# Altium PCB park-contor-12i.PcbDoc (part 1 of 2)
Units mm, origin at the board's own origin, x right, y up, seen from the top; angles counter-clockwise.
Board outline 150 x 232.92 mm, 2 copper layers (Top Layer, Bottom Layer); 154 components, 163 nets, 608 pads, 78 vias.
Unrouted connection lines stored in the file: 101.
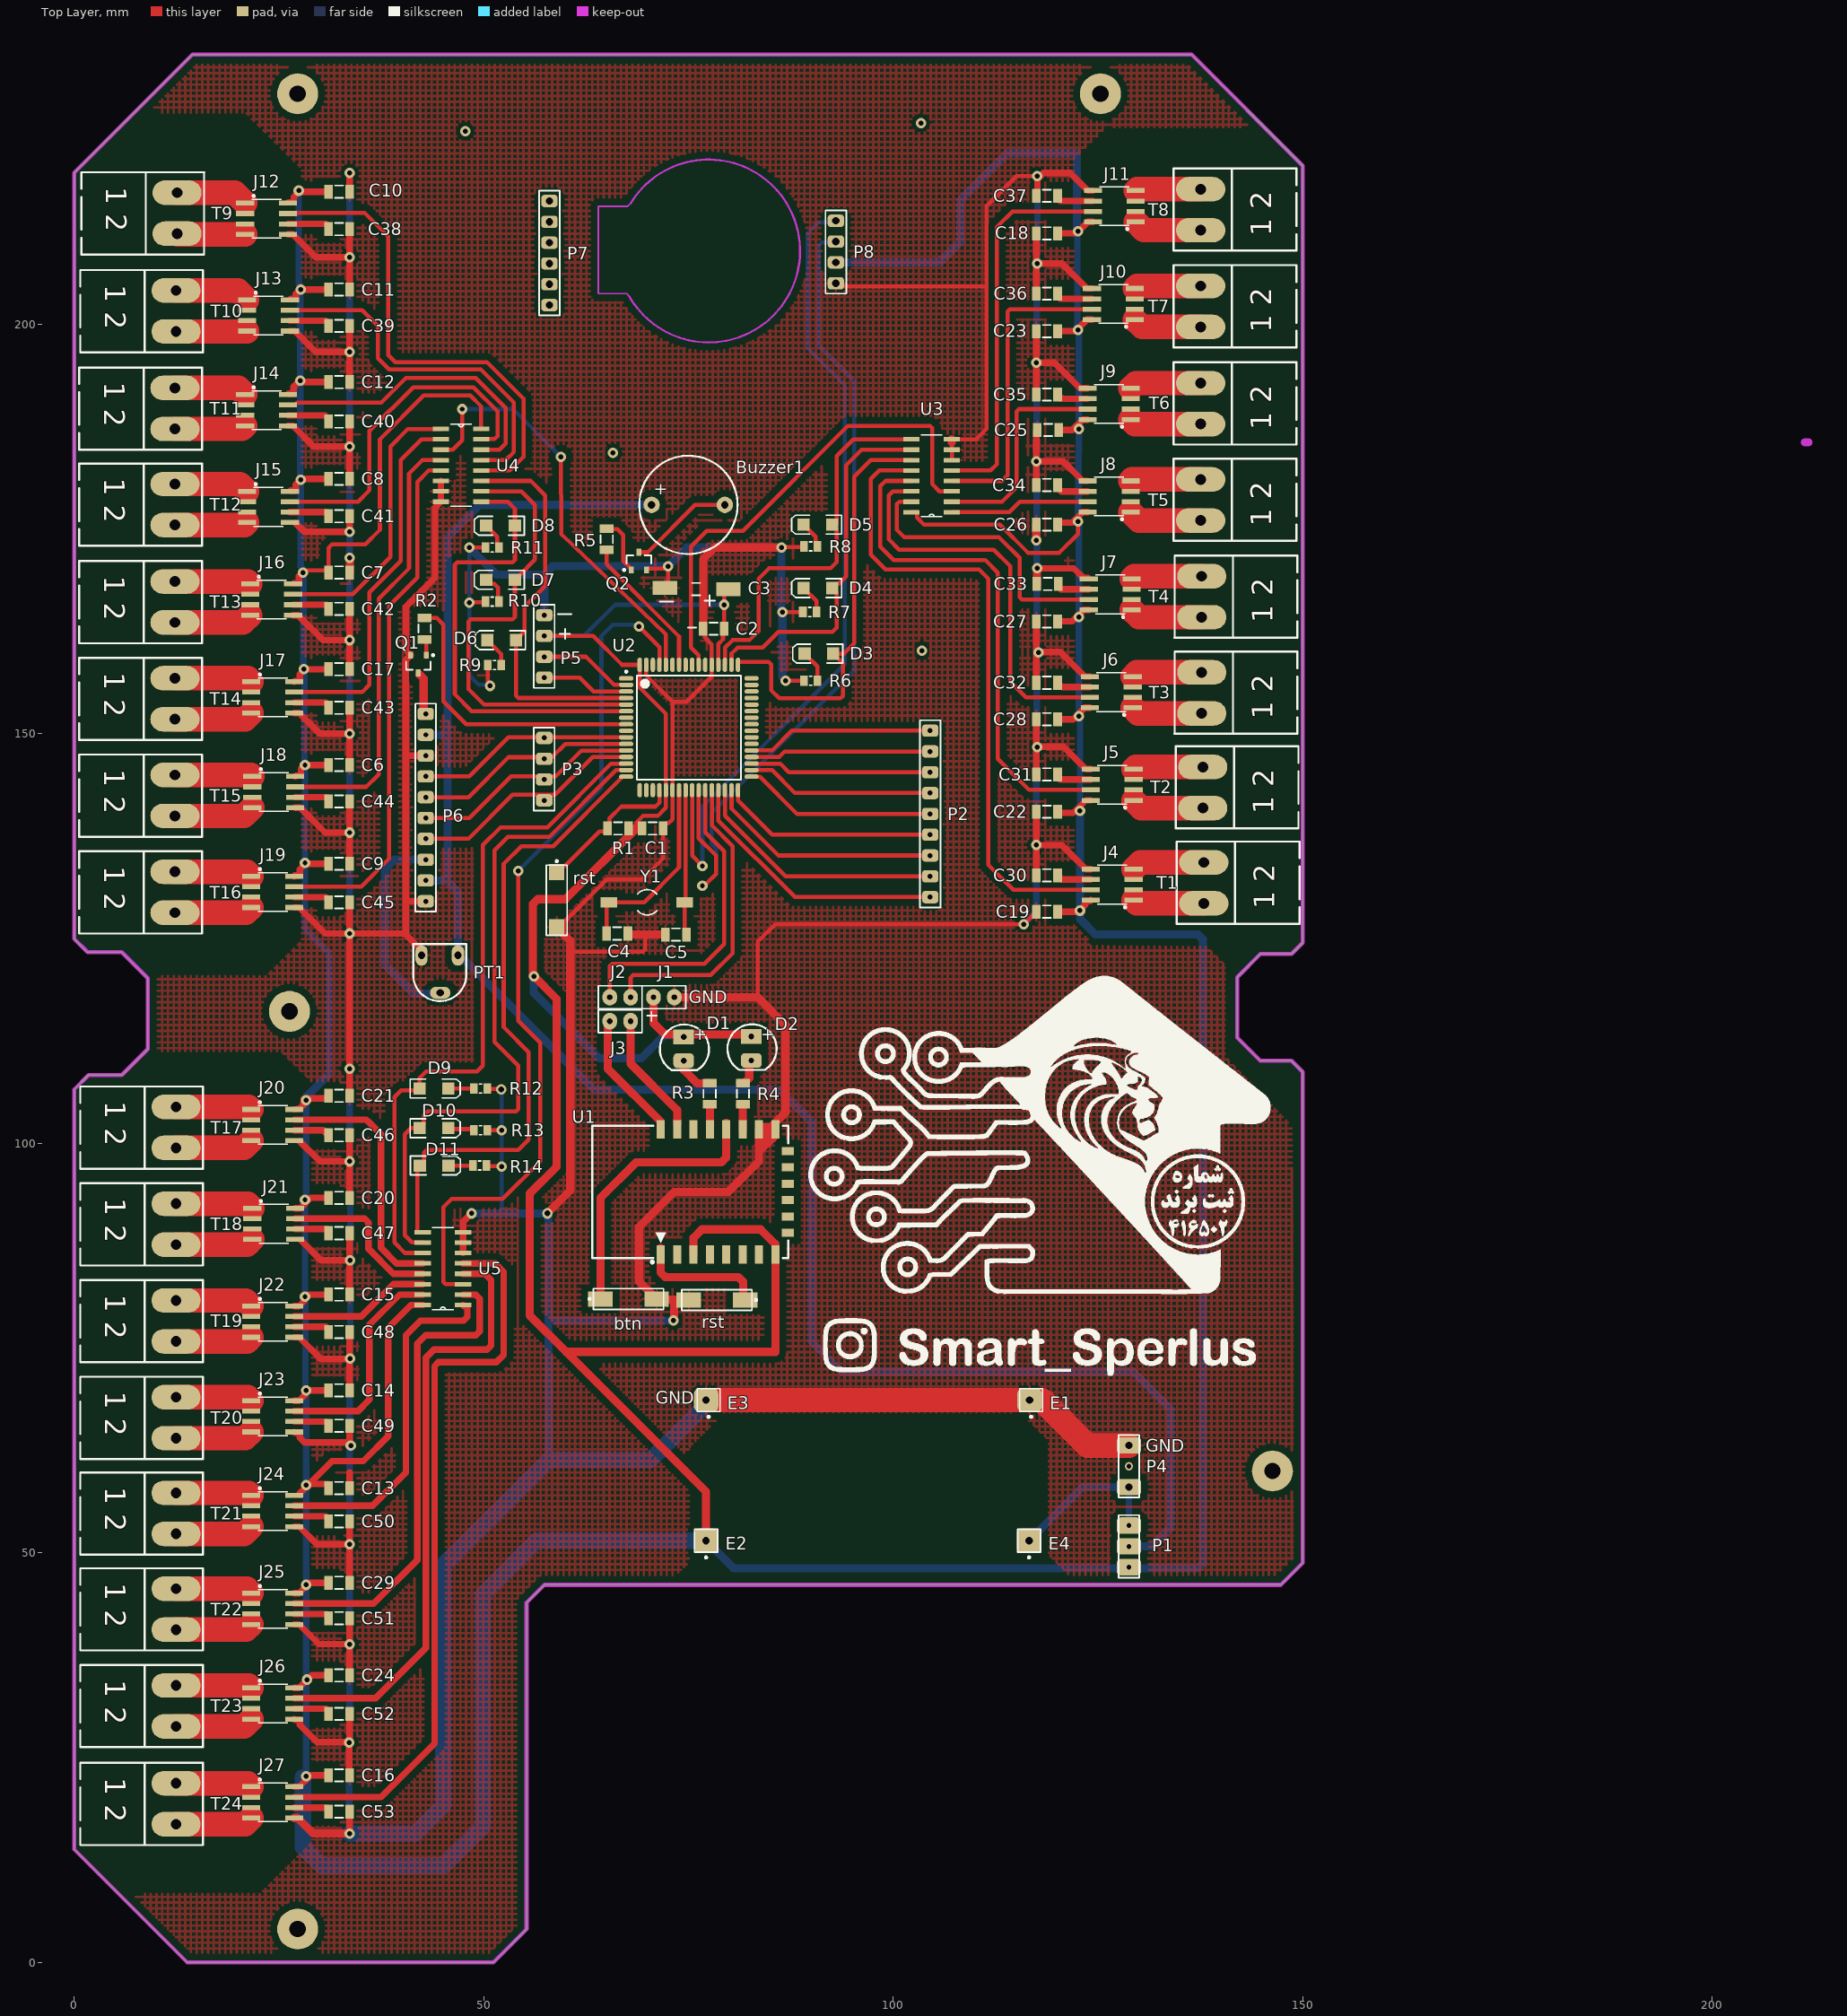
[diagram p0: Top Layer view]
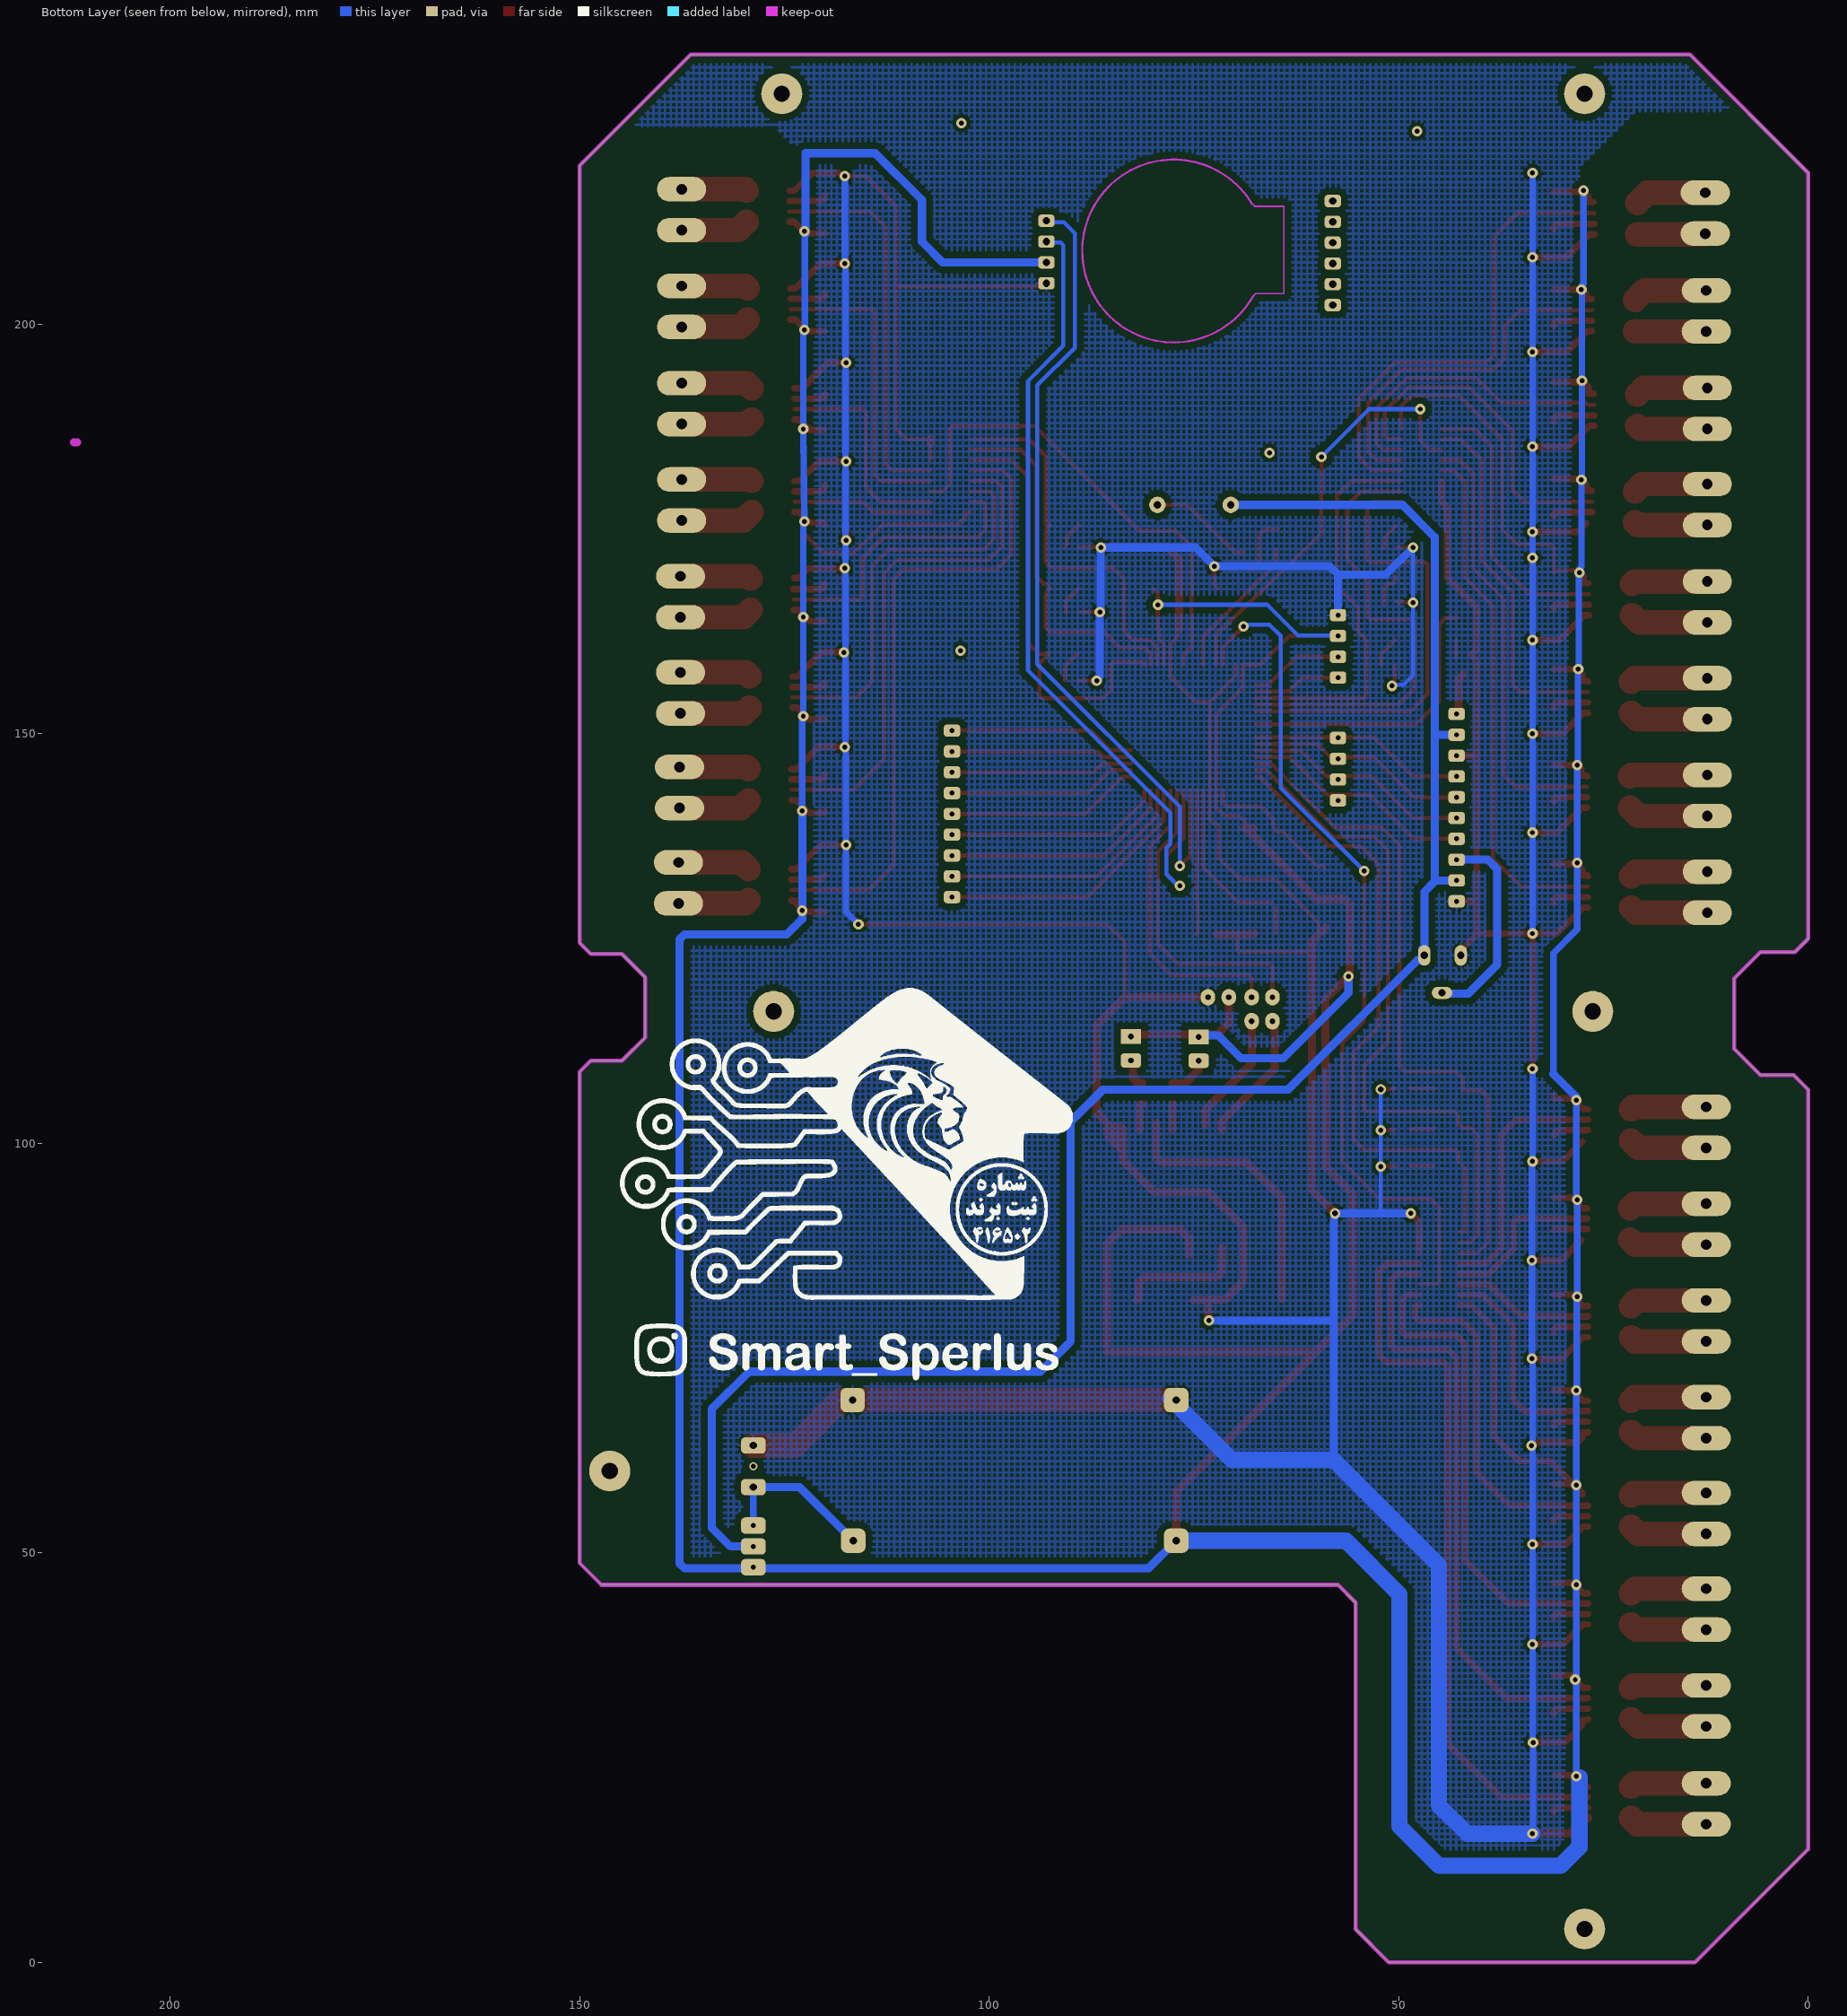
[diagram p1: Bottom Layer view, seen from below]

## Layer stack, top to bottom
Top Solder: solder mask 0.0102, Solder Resist, Dk 3.5
Top Layer: signal copper 0.0356
Dielectric 1: dielectric 0.32, FR-4, Dk 4.8
Bottom Layer: signal copper 0.0356
Bottom Solder: solder mask 0.0102, Solder Resist, Dk 3.5

## Board outline
0,13.843 0,106.553 1.778,108.331 5.842,108.331 9.017,111.506 9.017,120.142 5.842,123.317 1.651,123.317 0,124.968 0,218.44 14.478,232.918 136.398,232.918 150,219.316 150,124.473 148.631,123.104 144.821,123.104 141.986,120.269 141.986,112.903 144.821,110.068 148.631,110.068 150,108.699 150,48.781 147.32,46.101 57.404,46.101 55.245,43.942 55.245,4.064 51.181,0 13.843,0

## Design rules (kind name [scope] priority, off if disabled: settings)
Clearance Clearance_1 [InPolygon] p1: gap=0.8 ignorepadtopadclearanceinfootprint=FALSE
Clearance [All] p2: gap=0.254 ignorepadtopadclearanceinfootprint=FALSE except(0: Arc-Hole Track-Hole SMDPad-Hole THPad-Hole Via-Hole Fill-Hole Poly-Hole Region-Hole Text-Hole)
DiffPairsRouting [All] p1: maxlimit=0.254 minlimit=0.8 mostfreqgap=0.254 toplayer_minwidth=0.381 toplayer_maxwidth=0.381 toplayer_prefwidth=0.381 bottomlayer_minwidth=0.381 bottomlayer_maxwidth=0.381 bottomlayer_prefwidth=0.381 maxuncoupledlength=12.7
PolygonConnect [All] p1: connectstyle=Relief reliefconductorwidth=0.254 reliefentries=4 polygonreliefangle="90 Angle" airgapwidth=0.254
RoomDefinition park-contor-12i [InComponentClass('park-contor-12i')] p1: confinementstyle=ConfineIn formatcopy=TRUE lockcomponents=FALSE outline 151.638,0.762 536.575,0.762 536.575,58.547 151.638,58.547
RoutingLayers [All] p1: top layer_v5=FALSE bottom layer_v5=TRUE
RoutingVias [All] p1: holewidth=0.711 width=2.5 viastyle="Through Hole" minholewidth=0.711 minwidth=1.27 maxholewidth=0.711 maxwidth=2
SolderMaskExpansion [All] p1: expansion=0.102 istentingtop=FALSE
Width [All] p1: maxlimit=3 minlimit=0.5 preferedwidth=1
28 further rules are at their usual default settings.

## Components (designator, comment, footprint, x,y, rotation, side; value= is the part's Value field where it differs from the comment)
btn "SW-PB" SPST-2#1 67.691,80.999 r0 top (schematic designator S1)
Buzzer1 "Buzzer" BUZZER 75,177.927 r0 top
C1 "=Value" "CAP 1206"#1 70.612,138.43 r0 top
C2 "=Value" "CAP 1206"#1 78.105,162.814 r180 top
C3 "=Value" "CAP 1206"#2 75.946,167.64 r180 top
C4 "=Value" "CAP 1206"#1 66.294,125.603 r0 top
C5 "=Value" "CAP 1206"#1 73.506,125.476 r180 top
C6 "=Value" "CAP 1206"#1 32.385,146.177 r180 top
C7 "=Value" "CAP 1206"#1 32.385,169.672 r180 top
C8 "=Value" "CAP 1206"#1 32.385,181.102 r180 top
C9 "=Value" "CAP 1206"#1 32.385,134.112 r180 top
C10 "=Value" "CAP 1206"#1 32.385,216.154 r180 top
C11 "=Value" "CAP 1206"#1 32.385,204.216 r180 top
C12 "=Value" "CAP 1206"#1 32.385,192.913 r180 top
C13 "=Value" "CAP 1206"#1 32.385,57.912 r180 top
C14 "=Value" "CAP 1206"#1 32.385,69.85 r180 top
C15 "=Value" "CAP 1206"#1 32.385,81.534 r180 top
C16 "=Value" "CAP 1206"#1 32.385,22.86 r180 top
C17 "=Value" "CAP 1206"#1 32.385,157.861 r180 top
C18 "=Value" "CAP 1206"#1 118.745,211.074 r0 top
C19 "=Value" "CAP 1206"#1 118.745,128.27 r0 top
C20 "=Value" "CAP 1206"#1 32.385,93.345 r180 top
C21 "=Value" "CAP 1206"#1 32.385,105.791 r180 top
C22 "=Value" "CAP 1206"#1 118.745,140.462 r0 top
C23 "=Value" "CAP 1206"#1 118.745,199.136 r0 top
C24 "=Value" "CAP 1206"#1 32.385,35.052 r180 top
C25 "=Value" "CAP 1206"#1 118.872,187.071 r0 top
C26 "=Value" "CAP 1206"#1 118.745,175.514 r0 top
C27 "=Value" "CAP 1206"#1 118.745,163.703 r0 top
C28 "=Value" "CAP 1206"#1 118.745,151.765 r0 top
C29 "=Value" "CAP 1206"#1 32.385,46.355 r180 top
C30 "=Value" "CAP 1206"#1 118.745,132.715 r0 top
C31 "=Value" "CAP 1206"#1 118.745,145.034 r0 top
C32 "=Value" "CAP 1206"#1 118.745,156.21 r0 top
C33 "=Value" "CAP 1206"#1 118.816,168.275 r0 top
C34 "=Value" "CAP 1206"#1 118.745,180.34 r0 top
C35 "=Value" "CAP 1206"#1 118.745,191.389 r0 top
C36 "=Value" "CAP 1206"#1 118.745,203.708 r0 top
C37 "=Value" "CAP 1206"#1 118.745,215.646 r0 top
C38 "=Value" "CAP 1206"#1 32.385,211.582 r180 top
C39 "=Value" "CAP 1206"#1 32.385,199.771 r180 top
C40 "=Value" "CAP 1206"#1 32.385,188.087 r180 top
C41 "=Value" "CAP 1206"#1 32.385,176.53 r180 top
C42 "=Value" "CAP 1206"#1 32.385,165.227 r180 top
C43 "=Value" "CAP 1206"#1 32.385,153.162 r180 top
C44 "=Value" "CAP 1206"#1 32.385,141.732 r180 top
C45 "=Value" "CAP 1206"#1 32.385,129.413 r180 top
C46 "=Value" "CAP 1206"#1 32.385,100.965 r180 top
C47 "=Value" "CAP 1206"#1 32.385,89.027 r180 top
C48 "=Value" "CAP 1206"#1 32.385,76.962 r180 top
C49 "=Value" "CAP 1206"#1 32.385,65.532 r180 top
C50 "=Value" "CAP 1206"#1 32.385,53.848 r180 top
C51 "=Value" "CAP 1206"#1 32.385,42.037 r180 top
C52 "=Value" "CAP 1206"#1 32.385,30.353 r180 top
C53 "=Value" "CAP 1206"#1 32.385,18.415 r180 top
D1 "LED 5mm" LED-1 74.422,111.606 r0 top
D2 "LED 5mm" LED-1 82.677,111.633 r0 top
D3 "LED2" 3.2X1.6X1.1 90.932,159.766 r180 top
D4 "LED2" 3.2X1.6X1.1 90.805,167.767 r180 top
D5 "LED2" 3.2X1.6X1.1 90.805,175.514 r180 top
D6 "LED2" 3.2X1.6X1.1 52.197,161.417 r180 top
D7 "LED2" 3.2X1.6X1.1 52.07,168.783 r180 top
D8 "LED2" 3.2X1.6X1.1 52.07,175.387 r180 top
D9 "LED2" 3.2X1.6X1.1 43.942,106.68 r0 top
D10 "LED2" 3.2X1.6X1.1 43.942,101.854 r0 top
D11 "LED2" 3.2X1.6X1.1 43.97,97.282 r0 top
E1 "Antenna" PIN1#1 116.842,68.661 r180 top
E2 "Antenna" PIN1#2 77.156,51.495 r180 top
E3 "Antenna" PIN1#3 77.472,68.661 r180 top
E4 "Antenna" PIN1#2 116.588,51.495 r180 top
J1 "Header2X1" "Header 2X1" 72.009,117.829 r0 top
J2 "Header2X1" "Header 2X1" 66.675,117.829 r180 top
J3 "Header2X1" "Header 2X1" 66.675,114.908 r0 top
J4 "ACS712" SO08 126.746,131.572 r90 top
J5 "ACS712" SO08 126.746,143.764 r90 top
J6 "ACS712" SO08 126.619,155.067 r90 top
J7 "ACS712" SO08 126.492,167.005 r90 top
J8 "ACS712" SO08 126.365,178.943 r90 top
J9 "ACS712" SO08 126.365,190.246 r90 top
J10 "ACS712" SO08 126.873,202.438 r90 top
J11 "ACS712" SO08 127,214.376 r90 top
J12 "ACS712" SO08 23.495,212.852 r270 top
J13 "ACS712" SO08 23.749,201.041 r270 top
J14 "ACS712" SO08 23.495,189.484 r270 top
J15 "ACS712" SO08 23.749,177.673 r270 top
J16 "ACS712" SO08 24.13,166.37 r270 top
J17 "ACS712" SO08 24.257,154.432 r270 top
J18 "ACS712" SO08 24.384,142.875 r270 top
J19 "ACS712" SO08 24.257,130.683 r270 top
J20 "ACS712" SO08 24.257,102.235 r270 top
J21 "ACS712" SO08 24.384,90.17 r270 top
J22 "ACS712" SO08 24.257,78.232 r270 top
J23 "ACS712" SO08 24.257,66.675 r270 top
J24 "ACS712" SO08 24.257,55.118 r270 top
J25 "ACS712" SO08 24.257,43.18 r270 top
J26 "ACS712" SO08 24.257,31.623 r270 top
J27 "ACS712" SO08 24.257,19.558 r270 top
P1 "Header 3" HDR1X3#1 128.778,48.26 r90 top
P2 "Header 9" HDR1X9 104.521,150.368 r270 top
P3 "Header 4" HDR1X4#1 57.404,141.859 r90 top
P4 "Header 3" HDR1X3#2 128.778,63.119 r270 top
P5 "Header 4" HDR1X4#1 57.404,156.845 r90 top
P6 "Header 10" HDR1X10 42.926,152.4 r270 top
P7 "Header 6" HDR1X6 58.039,202.311 r90 top
P8 "Header 4" HDR1X4#2 93,212.598 r270 top
PT1 "POT3" POT3 47.879,124.333 r180 top
Q1 "QNPN" SOT-23B_L 42.037,158.496 r270 top
Q2 "QNPN" SOT-23B_L 68.961,171.069 r90 top
R1 "10K" "RES 1206 (3216X08L)" 66.421,138.43 r0 top
R2 "10K" "RES 1206 (3216X08L)" 42.799,162.814 r270 top
R3 "10K" "RES 1206 (3216X08L)" 77.597,106.045 r90 top
R4 "10K" "RES 1206 (3216X08L)" 81.661,106.045 r90 top
R5 "10K" "RES 1206 (3216X08L)" 65.024,173.736 r90 top
R6 "10K" "RES 0805 (2012X06L)" 89.916,156.464 r180 top
R7 "10K" "RES 0805 (2012X06L)" 89.789,164.846 r180 top
R8 "10K" "RES 0805 (2012X06L)" 89.916,172.847 r180 top
R9 "10K" "RES 0805 (2012X06L)" 51.308,158.369 r180 top
R10 "10K" "RES 0805 (2012X06L)" 51.054,166.116 r180 top
R11 "10K" "RES 0805 (2012X06L)" 51.054,172.72 r180 top
R12 "10K" "RES 0805 (2012X06L)" 49.657,106.68 r0 top
R13 "10K" "RES 0805 (2012X06L)" 49.657,101.6 r0 top
R14 "10K" "RES 0805 (2012X06L)" 49.53,97.282 r0 top
rst "SW-PB" SPST-2#2 58.928,129.667 r270 top (schematic designator S3)
rst "SW-PB" SPST-2#1 78.486,80.872 r180 top (schematic designator S2)
T1 "Phoenix terminal" "phoenix terminal 2" 149.606,126.793 r90 top
T2 "Phoenix terminal" "phoenix terminal 2" 149.479,138.43 r90 top
T3 "Phoenix terminal" "phoenix terminal 2" 149.352,149.987 r90 top
T4 "Phoenix terminal" "phoenix terminal 2" 149.352,161.718 r90 top
T5 "Phoenix terminal" "phoenix terminal 2" 149.225,173.529 r90 top
T6 "Phoenix terminal" "phoenix terminal 2" 149.225,185.293 r90 top
T7 "Phoenix terminal" "phoenix terminal 2" 149.225,197.151 r90 top
T8 "Phoenix terminal" "phoenix terminal 2" 149.225,208.962 r90 top
T9 "Phoenix terminal" "phoenix terminal 2" 0.889,218.52 r270 top
T10 "Phoenix terminal" "phoenix terminal 2" 0.762,206.582 r270 top
T11 "Phoenix terminal" "phoenix terminal 2" 0.635,194.691 r270 top
T12 "Phoenix terminal" "phoenix terminal 2" 0.635,182.96 r270 top
T13 "Phoenix terminal" "phoenix terminal 2" 0.635,171.069 r270 top
T14 "Phoenix terminal" "phoenix terminal 2" 0.635,159.258 r270 top
T15 "Phoenix terminal" "phoenix terminal 2" 0.635,147.447 r270 top
T16 "Phoenix terminal" "phoenix terminal 2" 0.635,135.636 r270 top
T17 "Phoenix terminal" "phoenix terminal 2" 0.762,106.934 r270 top
T18 "Phoenix terminal" "phoenix terminal 2" 0.762,95.123 r270 top
T19 "Phoenix terminal" "phoenix terminal 2" 0.762,83.312 r270 top
T20 "Phoenix terminal" "phoenix terminal 2" 0.762,71.501 r270 top
T21 "Phoenix terminal" "phoenix terminal 2" 0.762,59.817 r270 top
T22 "Phoenix terminal" "phoenix terminal 2" 0.762,48.133 r270 top
T23 "Phoenix terminal" "phoenix terminal 2" 0.762,36.322 r270 top
T24 "Phoenix terminal" "phoenix terminal 2" 0.762,24.384 r270 top
U1 "ESP_12_E" ESP_12_E 71.622,86.064 r90 top
U2 "ATmega64-16AC" 64A_N 75.057,150.749 r0 top
U3 "CD4051BCM" SOIC127P600X175-16N 104.699,181.483 r180 top
U4 "CD4051BCM" SOIC127P600X175-16N 47.244,182.753 r0 top
U5 "CD4051BCM" SOIC127P600X175-16N 45.034,84.709 r180 top
Y1 "XTAL" R38 69.977,129.413 r270 top

## Footprints (in the part's own frame and the unit in brackets; to place one, negate y for a bottom-side part, rotate by r counter-clockwise, add the part's x,y. Pads: shape width x height; smd on the part's side, far side on the other; paste and mask are expansions set on the pad)
3.2X1.6X1.1 [mm] "SMT LED; 2 Flat Leads"
  rect 1.5x1.5 smd: 1(-1.75,0) 2(1.75,0)
  silkscreen extent -2.9,-1.15 3.2,1.15
64A_N [mm] "Thin QFP, 64-Leads, Body 14x14mm, Pitch 0.8mm, IPC Medium Density"
  oval 1.75x0.55 smd: 1(-7.65,6) 2(-7.65,5.2) 3(-7.65,4.4) 4(-7.65,3.6) 5(-7.65,2.8) 6(-7.65,2) 7(-7.65,1.2) 8(-7.65,0.4) 9(-7.65,-0.4) 10(-7.65,-1.2) 11(-7.65,-2) 12(-7.65,-2.8) 13(-7.65,-3.6) 14(-7.65,-4.4) 15(-7.65,-5.2) 16(-7.65,-6) 33(7.65,-6) 34(7.65,-5.2) 35(7.65,-4.4) 36(7.65,-3.6) 37(7.65,-2.8) 38(7.65,-2) 39(7.65,-1.2) 40(7.65,-0.4) 41(7.65,0.4) 42(7.65,1.2) 43(7.65,2) 44(7.65,2.8) 45(7.65,3.6) 46(7.65,4.4) 47(7.65,5.2) 48(7.65,6)
  oval 0.55x1.75 smd: 17(-6,-7.65) 18(-5.2,-7.65) 19(-4.4,-7.65) 20(-3.6,-7.65) 21(-2.8,-7.65) 22(-2,-7.65) 23(-1.2,-7.65) 24(-0.4,-7.65) 25(0.4,-7.65) 26(1.2,-7.65) 27(2,-7.65) 28(2.8,-7.65) 29(3.6,-7.65) 30(4.4,-7.65) 31(5.2,-7.65) 32(6,-7.65) 49(6,7.65) 50(5.2,7.65) 51(4.4,7.65) 52(3.6,7.65) 53(2.8,7.65) 54(2,7.65) 55(1.2,7.65) 56(0.4,7.65) 57(-0.4,7.65) 58(-1.2,7.65) 59(-2,7.65) 60(-2.8,7.65) 61(-3.6,7.65) 62(-4.4,7.65) 63(-5.2,7.65) 64(-6,7.65)
  silkscreen extent -7.77,-6.35 6.35,6.95, body extent -7,-7 7,7, height 1.2
BUZZER [mm] "BUZZER"
  round 2 hole 0.9: 1(-4.5,0) 2(4.45,0)
  silkscreen extent -6,-6 6,6
"CAP 1206"#1 [mm]
  rect 1.05x1.7 smd: 1(-1.27,0) 2(1.326,0)
  silkscreen extent -0.47,-0.75 0.53,0.75, body extent -1.49,-0.77 1.55,0.75, height 0.75
"CAP 1206"#2 [mm]
  rect 3x1.7 smd: 1(-3.937,0) 2(3.81,-0.127)
  silkscreen extent -0.47,-0.75 0.53,0.75, body extent -1.49,-0.77 1.55,0.75, height 0.75
ESP_12_E [mm] "ESP-12 Wi-Fi Module by AI-Thinker"
  rect 2.25x1 smd: 1(0.375,0) 2(0.375,-2) 3(0.375,-4) 4(0.375,-6) 5(0.375,-8) 6(0.375,-10) 7(0.375,-12) 8(0.375,-14) 15(15.625,-14) 16(15.625,-12) 17(15.625,-10) 18(15.625,-8) 19(15.625,-6) 20(15.625,-4) 21(15.625,-2) 22(15.625,0)
  rect 1x1.5 smd: 9(3,-15.5) 10(5,-15.5) 11(7,-15.5) 12(9,-15.5) 13(11,-15.5) 14(13,-15.5)
  silkscreen extent -0.7,-15.57 16.08,8.37, body extent 0,-15.49 16,8.51, height 2.75
HDR1X3#1 [mm] "Connector; Header; 3 Position"
  rrect50% 2x3 hole 0.6: 1(0,0) 2(2.54,0) 3(5.08,0)
  silkscreen extent -1.27,-1.27 6.35,1.27
HDR1X3#2 [mm] "Connector; Header; 3 Position"
  rrect50% 2x3 hole 0.9: 1(0,0) 3(5.08,0)
  round 1 hole 0.6: 2(2.54,0)
  silkscreen extent -1.27,-1.27 6.35,1.27
HDR1X4#1 [mm] "Connector; Header; 4 Position"
  rrect50% 1.5x2 hole 0.6: 1(0,0) 2(2.54,0) 3(5.08,0) 4(7.62,0)
  silkscreen extent -1.27,-1.27 8.89,1.27
HDR1X4#2 [mm] "Connector; Header; 4 Position"
  rrect50% 1.5x2 hole 0.9: 1(0,0) 2(2.54,0) 3(5.08,0) 4(7.62,0)
  silkscreen extent -1.27,-1.27 8.89,1.27
HDR1X6 [mm] "Connector; Header; 6 Position"
  rrect50% 1.5x2 hole 0.9: 1(0,0) 2(2.54,0) 3(5.08,0) 4(7.62,0) 5(10.16,0) 6(12.7,0)
  silkscreen extent -1.27,-1.27 13.97,1.27
HDR1X9 [mm] "Connector; Header; 9 Position"
  rrect50% 1.5x2 hole 0.6: 1(0,0) 2(2.54,0) 3(5.08,0) 4(7.62,0) 5(10.16,0) 6(12.7,0) 7(15.24,0) 8(17.78,0) 9(20.32,0)
  silkscreen extent -1.27,-1.27 21.59,1.27
HDR1X10 [mm] "Connector; Header; 10 Position"
  rrect50% 1.5x2 hole 0.6: 1(0,0) 2(2.54,0) 3(5.08,0) 4(7.62,0) 5(10.16,0) 6(12.7,0) 7(15.24,0) 8(17.78,0) 9(20.32,0) 10(22.86,0)
  silkscreen extent -1.27,-1.27 24.13,1.27
"Header 2X1" [mil]
  oval 70x80 hole 27.56: 1(-50,0) 2(50,0)
  silkscreen extent -105,-55 105,55, body extent -100,-50 100,50, height 374
LED-1 [mm] "LED; 2 Leads"
  rect 2.5x1.8 hole 0.7: 1(0,1.397)
  rrect50% 2.5x1.8 hole 0.7: 2(0,-1.524)
  silkscreen extent -2.91,-2.67 3.09,2.9
"phoenix terminal 2" [mm] "2 terminals"
  oval 3x6 hole 1.3: 1(2.493,11.684) 2(7.493,11.684)
  silkscreen extent 0,0 10.03,15
PIN1#1 [mm] "Generic Antenna; 1 Lead"
  rrect50% 3x3 hole 0.9: 1(0.186,0)
  silkscreen extent -1.4,-1.4 1.4,2.17
PIN1#2 [mm] "Generic Antenna; 1 Lead"
  rrect50% 3x3 hole 0.9: 1(0,0)
  silkscreen extent -1.4,-1.4 1.4,2.17
PIN1#3 [mm] "Generic Antenna; 1 Lead"
  rrect50% 3x3 hole 0.9: 1(0.316,0)
  silkscreen extent -1.4,-1.4 1.4,2.17
POT3 [mm]
  oval 1.5x2.5 hole 0.9: 1(1.016,1.397) 2(5.461,1.397)
  oval 2.5x1.5 hole 0.9: 3(3.175,5.969)
  silkscreen extent 0,0 6.48,6.98
R38 [mm] "Crystal, Thru-Hole; 2 Leads; Body 3.1 x 8.2 mm (Dia.xH)"
  rect 1.3x2 smd: 1(0,4.572) 2(0,-4.699)
  silkscreen extent -1.55,-1.19 1.55,1.17
"RES 0805 (2012X06L)" [mm] "Chip Resistor, 2-Leads, Body 2.0x1.3mm, IPC High Density _ (0.100 W)"
  rect 0.95x1.3 smd: 1(-0.838,0) 2(0.812,0)
  silkscreen extent -0.16,-0.55 0.14,0.55, body extent -1.03,-0.63 1,0.64, height 0.6
"RES 1206 (3216X08L)" [mm] "Chip Resistor, 2-Leads, Body 3.2x1.6mm, IPC High Density _ (0.125 W)"
  rect 1.05x1.7 smd: 1(-1.295,0) 2(1.301,0)
  silkscreen extent -0.5,-0.75 0.5,0.75, body extent -1.52,-0.76 1.53,0.76, height 0.6
SO08 [mil]
  rect 24x87 smd: 1(-75,-103) 2(-25,-103) 3(25,-103) 4(75,-103) 5(75,103) 6(25,103) 7(-25,103) 8(-75,103)
  silkscreen extent -115,-71 93,71
SOIC127P600X175-16N [mil]
  rect 78x22 smd: 1(-97,175) 2(-97,125) 3(-97,75) 4(-97,25) 5(-97,-25) 6(-97,-75) 7(-97,-125) 8(-97,-175) 9(97,-175) 10(97,-125) 11(97,-75) 12(97,-25) 13(97,25) 14(97,75) 15(97,125) 16(97,175)
  silkscreen extent -51,-197 51,197
SOT-23B_L [mm] "SOT23, 3-Leads, Body 2.9x1.3mm, Pitch 0.95mm, Lead Span 2.4mm, IPC High Density"
  rect 0.85x0.6 smd: 1(-1.075,0.95) 2(-1.075,-0.95) 3(1.075,0)
  silkscreen extent -1.2,-1.5 0.7,1.93, body extent -0.7,-1.5 0.7,1.5, height 1.14
SPST-2#1 [mm] "Switch; 2 Leads"
  rect 3x1.85 smd: 1(-3.429,0) 2(3.429,0)
  silkscreen extent -4.89,-1.27 4.28,1.27
SPST-2#2 [mm] "Switch; 2 Leads"
  rect 2x1.85 smd: 1(-3.429,0) 2(3.302,0)
  silkscreen extent -4.89,-1.27 4.28,1.27

## Part data
btn rst rst: "Switch", LatestRevisionDate=17-Jul-2002, LatestRevisionNote="Re-released for DXP Platform.", PackageDescription="Switch; 2 Leads", PackageReference=SPST-2, Published=24-Mar-1999, Publisher="Altium Limited"
C1 C2 C3 C4 C5 C6 C7 C8 C9 C10 C11 C12 C13 C14 C15 C16 C17 C18 C19 C20 C21 C22 C23 C24 C25 C26 C27 C28 C29 C30 C31 C32 C33 C34 C35 C36 C37 C38 C39 C40 C41 C42 C43 C44 C45 C46 C47 C48 C49 C50 C51 C52 C53: library part Capacitor, "Capacitor"
D1 D2: "Typical LED", Designer="Seyed Mohsen Ghasemian", PackageDescription="LED; 2 Leads", PackageReference=LED, Published=07/31/2012, Publisher=www.picpars.com
D3 D4 D5 D6 D7 D8 D9 D10 D11: "Typical RED, GREEN, YELLOW, AMBER GaAs LED", LatestRevisionDate=17-Jul-2002, LatestRevisionNote="Re-released for DXP Platform.", PackageDescription="SM LED; 2 Flat Leads", PackageReference=3.2X1.6X1.1, PackageVersion=Feb-2002, Published=8-Jun-2000, Publisher="Altium Limited"
E1 E2 E3 E4: "Generic Antenna", LatestRevisionDate=17-Jul-2002, LatestRevisionNote="Re-released for DXP Platform.", PackageReference=PIN1, Published=24-Mar-1999, Publisher="Altium Limited"
J4 J5 J6 J7 J8 J9 J10 J11 J12 J13 J14 J15 J16 J17 J18 J19 J20 J21 J22 J23 J24 J25 J26 J27: "Current Sensor 5A 1 Channel Hall Effect, Open Loop Bidirectional 8-SOIC (0.154, 3.90mm Width)", Package=None, Availability="In Stock", Check_prices=https://www.snapeda.com/parts/ACS712/Allegro+MicroSystems+LLC/view-part/?ref=eda, MF="Allegro MicroSystems", MP=ACS712, Price=None, SnapEDA_Link=https://www.snapeda.com/parts/ACS712/Allegro+MicroSystems+LLC/view-part/?ref=snap
P1 P4: "Header, 3-Pin", LatestRevisionDate=17-Jul-2002, LatestRevisionNote="Re-released for DXP Platform.", Publisher="Altium Limited"
P2: "Header, 9-Pin", LatestRevisionDate=17-Jul-2002, LatestRevisionNote="Re-released for DXP Platform.", Publisher="Altium Limited"
P3 P5 P8: "Header, 4-Pin", LatestRevisionDate=17-Jul-2002, LatestRevisionNote="Re-released for DXP Platform.", Publisher="Altium Limited"
P6: "Header, 10-Pin", LatestRevisionDate=17-Jul-2002, LatestRevisionNote="Re-released for DXP Platform.", Publisher="Altium Limited"
P7: "Header, 6-Pin", LatestRevisionDate=17-Jul-2002, LatestRevisionNote="Re-released for DXP Platform.", Publisher="Altium Limited"
PT1: "Variable Potentiometer top adjust", Designer="Seyed Mohsen Ghasemian", WEB=www.picpars.com
Q1 Q2: "NPN Bipolar Transistor", LatestRevisionDate=29-May-2009, LatestRevisionNote="IPC-7351 Footprint Added.", PackageDescription="3-Pin SOT-23 Package 0.95 mm Pitch, 2.4 mm Lead Span", PackageReference=SOT-23B, PackageVersion=Aug-1999, Published=8-Jun-2000, Publisher="Altium Limited"
R1 R2 R3 R4 R5 R6 R7 R8 R9 R10 R11 R12 R13 R14: library part Resistor, "Resistor", Power="1/4 W", Tolerance=5%
T1 T2 T3 T4 T5 T6 T7 T8 T9 T10 T11 T12 T13 T14 T15 T16 T17 T18 T19 T20 T21 T22 T23 T24: library part "Phoenix terminal 2", "Terminal 2 Pin", ComponentLinkURL=www.picpars.com, Designer="Seyed Mohsen Ghasemain", E-mail=picpars@gmail.com
U1: "ESP-12 Wi-Fi Module by AI-Thinker", IC=ESP8266-EX, Vendor=Ai-thinker
U2: "8-Bit AVR Microcontroller with 64K Bytes of In-System Programmable Flash Memory", Supplier Part Number 1=ATMEGA64-16AC-ND, Code_JEDEC=MS-026-AEB, ComponentLink1Description=Datasheet, ComponentLink1URL=http://www.atmel.com/dyn/resources/prod_documents/doc2490.pdf, ComponentLink2Description="Atmel.com Home", ComponentLink2URL=http://www.atmel.com, DatasheetVersion=2490C-AVR-009/02, LatestRevisionDate=16-Oct-2006, LatestRevisionNote="IPC-7351 Footprint Added.", PackageDescription="64-Pin Plastic Thin Profile Quad Flat Pack, 14 x 14 x 1.0 mm Body, 0.8 mm Pitch (TQFP)", PackageReference=64A, PackageVersion="revB, Oct-2001", Published=17-Sep-2003, Publisher="Altium Limited", Supplier 1=Digi-Key, Supplier 2=Mouser, Supplier Part Number 2=556-ATMEGA64-16AC
U3 U4 U5: "1 Circuit IC Switch 8:1 240Ohm 16-SOIC", Package="SOIC-16 Rochester Electronics", Availability=Unavailable, MF="ON Semiconductor", MP=CD4051BCM, Price=None, SnapEDA_Link=https://www.snapeda.com/parts/CD4051BCM/ON%20Semiconductor/view-part/2774140/?ref=snap
Y1: "Crystal Oscillator", LatestRevisionDate=17-Jul-2002, LatestRevisionNote="Re-released for DXP Platform.", PackageDescription="Crystal, Thru-Hole; 2 Leads; Body 3.1 x 8.2 mm (Dia.xH)", PackageReference=R38, Published=8-Jun-2000, Publisher="Altium Limited"
Buzzer1: ComponentLinkURL=www.picpars.com, Designer="Seyed Mohsen Ghasemain"

## Free pads (board coordinates)
  round 5 hole 2: 64(26.303,116.096) 64(27.303,4.096) 64(27.303,228.096) 65(125.303,228.096) 65(126.303,116.096) 65(146.303,60)

## Via types
v1: diameter 1.27, hole 0.6, Top Layer to Bottom Layer, 76 vias
v2: diameter 1.27, hole 0.711, Top Layer to Bottom Layer, 2 vias

## Nets (pads, with @x,y where several pads share a name; then routed paths per layer and width w, separated by ;. In a path a pad name is that pad's centre, name@x,y a point inside that pad or via, vN(x,y) a via of type N, cw(c..) or ccw(c..) an arc to the next point about the centre after c; other vN are vias at no path point)
A1: J12.7 U4.12 | length 59.6
  Top Layer w0.5: J12.7@26.111,213.487 26.166,213.542 27.222,213.542 27.255,213.575 35.472,213.575 38.354,210.693 38.354,196.215 39.243,195.326 50.419,195.326 54.864,190.881 54.864,183.769 53.213,182.118 U4.12@49.708,182.118
A2: J13.7 U4.13 | length 44.5
  Top Layer w0.5: J13.7@26.365,201.676 35.179,201.676 37.084,199.771 37.084,196.088 ; 37.084,195.834 38.481,194.437 49.657,194.437 53.704,190.39 53.704,184.387 52.705,183.388 U4.13@49.708,183.388
A3: J14.7 U4.14 | length 37.1
  Top Layer w0.5: J14.7@26.111,190.119 26.911,190.119 27.221,190.428 37.52,190.428 40.513,193.421 49.022,193.421 52.705,189.738 52.705,185.42 51.943,184.658 U4.14@49.708,184.658
A4: J15.7 U4.15 | length 41.7
  Top Layer w0.5: J15.7@26.365,178.308 34.671,178.308 36.068,179.705 36.068,186.944 41.402,192.278 48.768,192.278 51.689,189.357 51.689,186.309 51.337,185.957 49.737,185.957 U4.15@49.708,185.928
A5: J16.7 U4.1 | length 34.3
  Top Layer w0.5: J16.7@26.746,167.005 34.036,167.005 38.608,171.577 38.608,185.039 40.738,187.169 43.659,187.169 44.205,187.169 44.751,187.169 U4.1@44.78,187.198
A6: J17.7 U4.2 | length 44.5
  Top Layer w0.5: J17.7@26.873,155.067 35.179,155.067 36.068,155.956 36.068,167.259 39.878,171.069 39.878,183.388 42.418,185.928 U4.2@44.78,185.928
A7: J18.7 U4.4 | length 53.6
  Top Layer w0.5: J18.7@27,143.51 35.687,143.51 37.211,145.034 37.211,166.497 40.894,170.18 40.894,181.748 42.534,183.388 U4.4@44.78,183.388
A8: J19.7 U4.5 | length 63.9
  Top Layer w0.5: J19.7@26.873,131.318 35.052,131.318 38.481,134.747 38.481,165.608 41.91,169.037 41.91,180.721 43.307,182.118 U4.5@44.78,182.118
A9: J4.7 U3.12 | length 78.9
  Top Layer w0.5: U3.12@102.235,182.118 98.298,182.118 97.282,181.102 97.282,171.831 99.06,170.053 110.49,170.053 111.633,168.91 111.633,133.985 114.681,130.937 J4.7@124.13,130.937
A10: J5.7 U3.13 | length 62.8
  Top Layer w0.5: U3.13@102.235,180.848 99.06,180.848 98.425,180.213 98.425,172.847 100.076,171.196 111.252,171.196 112.776,169.672 112.776,146.939 116.586,143.129 J5.7@124.13,143.129
A11: J6.7 U3.14 | length 49.2
  Top Layer w0.5: U3.14@102.235,179.578 99.949,179.578 99.441,179.07 99.441,173.736 100.711,172.466 112.279,172.466 114.3,170.445 114.3,156.337 116.205,154.432 J6.7@124.003,154.432
A12: J7.7 U3.15 | length 34.8
  Top Layer w0.5: U3.15@102.235,178.308 100.75,178.308 100.457,178.015 100.457,174.879 101.346,173.99 112.903,173.99 115.443,171.45 115.443,166.663 115.736,166.37 J7.7@123.876,166.37
A13: J8.7 U3.1 | length 17.1
  Top Layer w0.5: U3.1@107.163,177.038 114.173,177.038 115.443,178.308 J8.7@123.749,178.308
A14: J9.7 U3.2 | length 26.7
  Top Layer w0.5: U3.2@107.163,178.308 113.284,178.308 115.062,180.086 115.062,189.318 115.355,189.611 J9.7@123.749,189.611
A15: J10.7 U3.4 | length 37.5
  Top Layer w0.5: U3.4@107.163,180.848 113.284,180.848 113.958,181.522 113.958,201.51 114.251,201.803 J10.7@124.257,201.803
A16: J11.7 U3.5 | length 47.3
  Top Layer w0.5: U3.5@107.163,182.118 111.887,182.118 112.649,182.88 112.649,211.836 114.554,213.741 J11.7@124.384,213.741
A17: J20.7 U5.12 | length 31.1
  Top Layer w0.8: J20.7@26.873,102.87 35.687,102.87 35.941,102.616 37.465,101.092 37.465,87.249 39.37,85.344 U5.12@42.57,85.344
A18: J21.7 U5.13 | length 20.2
  Top Layer w0.8: J21.7@27,90.805 35.472,90.805 35.941,90.336 35.941,87.122 38.989,84.074 U5.13@42.57,84.074
A19: J22.7 U5.14 | length 17.3
  Top Layer w0.8: J22.7@26.873,78.867 35.052,78.867 38.989,82.804 U5.14@42.57,82.804
A20: J23.7 U5.15 | length 26.9
  Top Layer w0.8: J23.7@26.873,67.31 34.671,67.31 36.068,68.707 36.068,77.851 39.751,81.534 U5.15@42.57,81.534
A21: J24.7 U5.1 | length 42.4
  Top Layer w0.8: J24.7@26.873,55.753 27.78,55.753 36.449,55.753 40.513,59.817 40.513,76.581 42.291,78.359 47.537,78.359 48.006,78.828 48.006,80.143 47.619,80.143 U5.1@47.498,80.264
A22: J25.7 U5.2 | length 58.1
  Top Layer w0.8: J25.7@26.873,43.815 36.576,43.815 41.91,49.149 41.91,75.565 42.926,76.581 49.061,76.581 49.53,77.05 49.53,81.026 49.022,81.534 U5.2@47.498,81.534
A23: J26.7 U5.4 | length 74.4
  Top Layer w0.8: J26.7@26.873,32.258 36.83,32.258 42.964,38.392 42.964,73.825 43.942,74.803 50.419,74.803 50.927,75.311 50.927,83.312 50.165,84.074 U5.4@47.498,84.074
A24: J27.7 U5.5 | length 90.5
  Top Layer w0.8: J27.7@26.873,20.193 37.465,20.193 44.018,26.746 44.018,72.81 44.487,73.279 51.562,73.279 52.451,74.168 52.451,84.328 51.435,85.344 U5.5@47.498,85.344
ADC: U1.2
bizer: R5.1 U2.58 | length 17.7
  Top Layer w0.5: R5.1@65.024,172.441 65.024,170.688 73.857,161.855 U2.58@73.857,158.399
btn: btn.1 U1.18 | length 33.9
  Top Layer w1: btn.1@64.262,80.999 64.262,93.318 68.607,97.663 79.011,97.663 79.597,98.249 U1.18@79.597,102.462
ca1: D9.1 U2.14 U5.11 | length 83.5
  Top Layer w0.5: U5.11@42.57,86.614 42.564,86.62 40.38,86.62 39.116,87.884 39.116,105.664 39.937,106.485 42.192,106.485 42.192,107.978 42.984,108.77 49.207,108.77 49.911,109.474 49.911,136.398 52.07,138.557 57.785,138.557 65.577,146.349 U2.14@67.407,146.349
ca2: D6.1 U2.4 U4.11 | length 48.1
  Top Layer w0.5: U4.11@49.708,180.848 55.753,180.848 57.531,179.07 57.531,168.021 54.991,165.481 54.991,162.461 D6.1@53.947,161.417 53.947,154.642 54.24,154.349 U2.4@67.407,154.349
ca3: D3.1 U2.49 U3.11 | length 53.8
  Top Layer w0.5: U2.49@81.057,158.399 81.057,158.727 81.08,158.75 84.797,158.75 85.09,158.457 85.09,155.321 86.106,154.305 93.56,154.305 93.853,154.598 93.853,158.595 D3.1@92.682,159.766 93.98,159.766 95.25,161.036 95.25,181.356 97.282,183.388 U3.11@102.235,183.388
cb1: D10.1 U2.15 U5.10 | length 83.5
  Top Layer w0.5: U5.10@42.57,87.884 42.553,87.902 41.257,87.902 40.386,88.773 40.386,101.092 41.148,101.854 D10.1@42.192,101.854 42.692,102.354 42.692,103.398 43.18,103.886 53.936,103.886 54.229,104.179 54.229,109.474 51.308,112.395 51.308,135.763 52.959,137.414 58.039,137.414 66.167,145.542 U2.15@67.407,145.542
cb2: D7.1 U2.5 U4.10 | length 56.2
  Top Layer w0.5: U4.10@49.708,179.578 54.61,179.578 56.261,177.927 56.261,171.224 54.32,169.283 D7.1@53.82,168.783 53.82,164.25 53.527,163.957 48.426,163.957 48.133,163.664 48.133,155.448 50.038,153.543 U2.5@67.431,153.543
cb3: D4.1 U2.50 U3.10 | length 45
  Top Layer w0.5: U2.50@80.257,158.399 80.267,158.409 80.267,159.769 81.026,160.528 84.074,160.528 85.979,162.433 92.583,162.433 93.091,162.941 93.091,166.974 93.055,167.01 93.055,167.267 D4.1@92.555,167.767 ; D4.1@92.696,167.908 93.055,168.267 93.337,168.267 94.234,169.164 94.234,182.753 96.139,184.658 U3.10@102.235,184.658
cc1: D11.1 U2.16 U5.9 | length 77.9
  Top Layer w0.5: D11.1@42.22,97.282 41.91,96.972 41.91,89.183 41.939,89.154 U5.9@42.57,89.154 ; D11.1@42.637,97.699 42.72,97.782 42.72,98.854 43.053,99.187 54.229,99.187 55.499,100.457 55.499,111.125 52.451,114.173 52.451,134.112 54.61,136.271 58.49,136.271 66.797,144.578 66.797,144.726 66.821,144.749 U2.16@67.407,144.749
cc2: D8.1 U2.6 U4.9 | length 55.9
  Top Layer w0.5: U4.9@49.708,178.308 52.959,178.308 53.82,177.447 D8.1@53.82,175.387 53.82,171.207 53.527,170.914 46.775,170.914 46.482,170.621 46.482,154.813 48.546,152.749 U2.6@67.407,152.749
cc3: D5.1 U2.51 U3.9 | length 46.9
  Top Layer w0.5: U2.51@79.447,158.409 79.467,158.428 79.467,159.044 79.478,159.055 79.478,160.504 80.391,161.417 82.456,161.417 83.566,162.527 83.566,168.91 84.836,170.18 92.329,170.18 93.091,170.942 93.091,174.721 93.055,174.757 93.055,175.014 D5.1@92.555,175.514 ; D5.1@93.091,175.514 93.091,183.896 95.123,185.928 U3.9@102.235,185.928